# Altium PCB cat.PcbDoc (part 3 of 3)
Units mm, origin at the board's own origin, x right, y up, seen from the top; angles counter-clockwise.
Board outline 65 x 116 mm, 4 copper layers (Top Layer, Layer 2, Layer 3, Bottom Layer), stack 1.518 mm thick; 267 components, 134 nets, 808 pads, 579 vias.
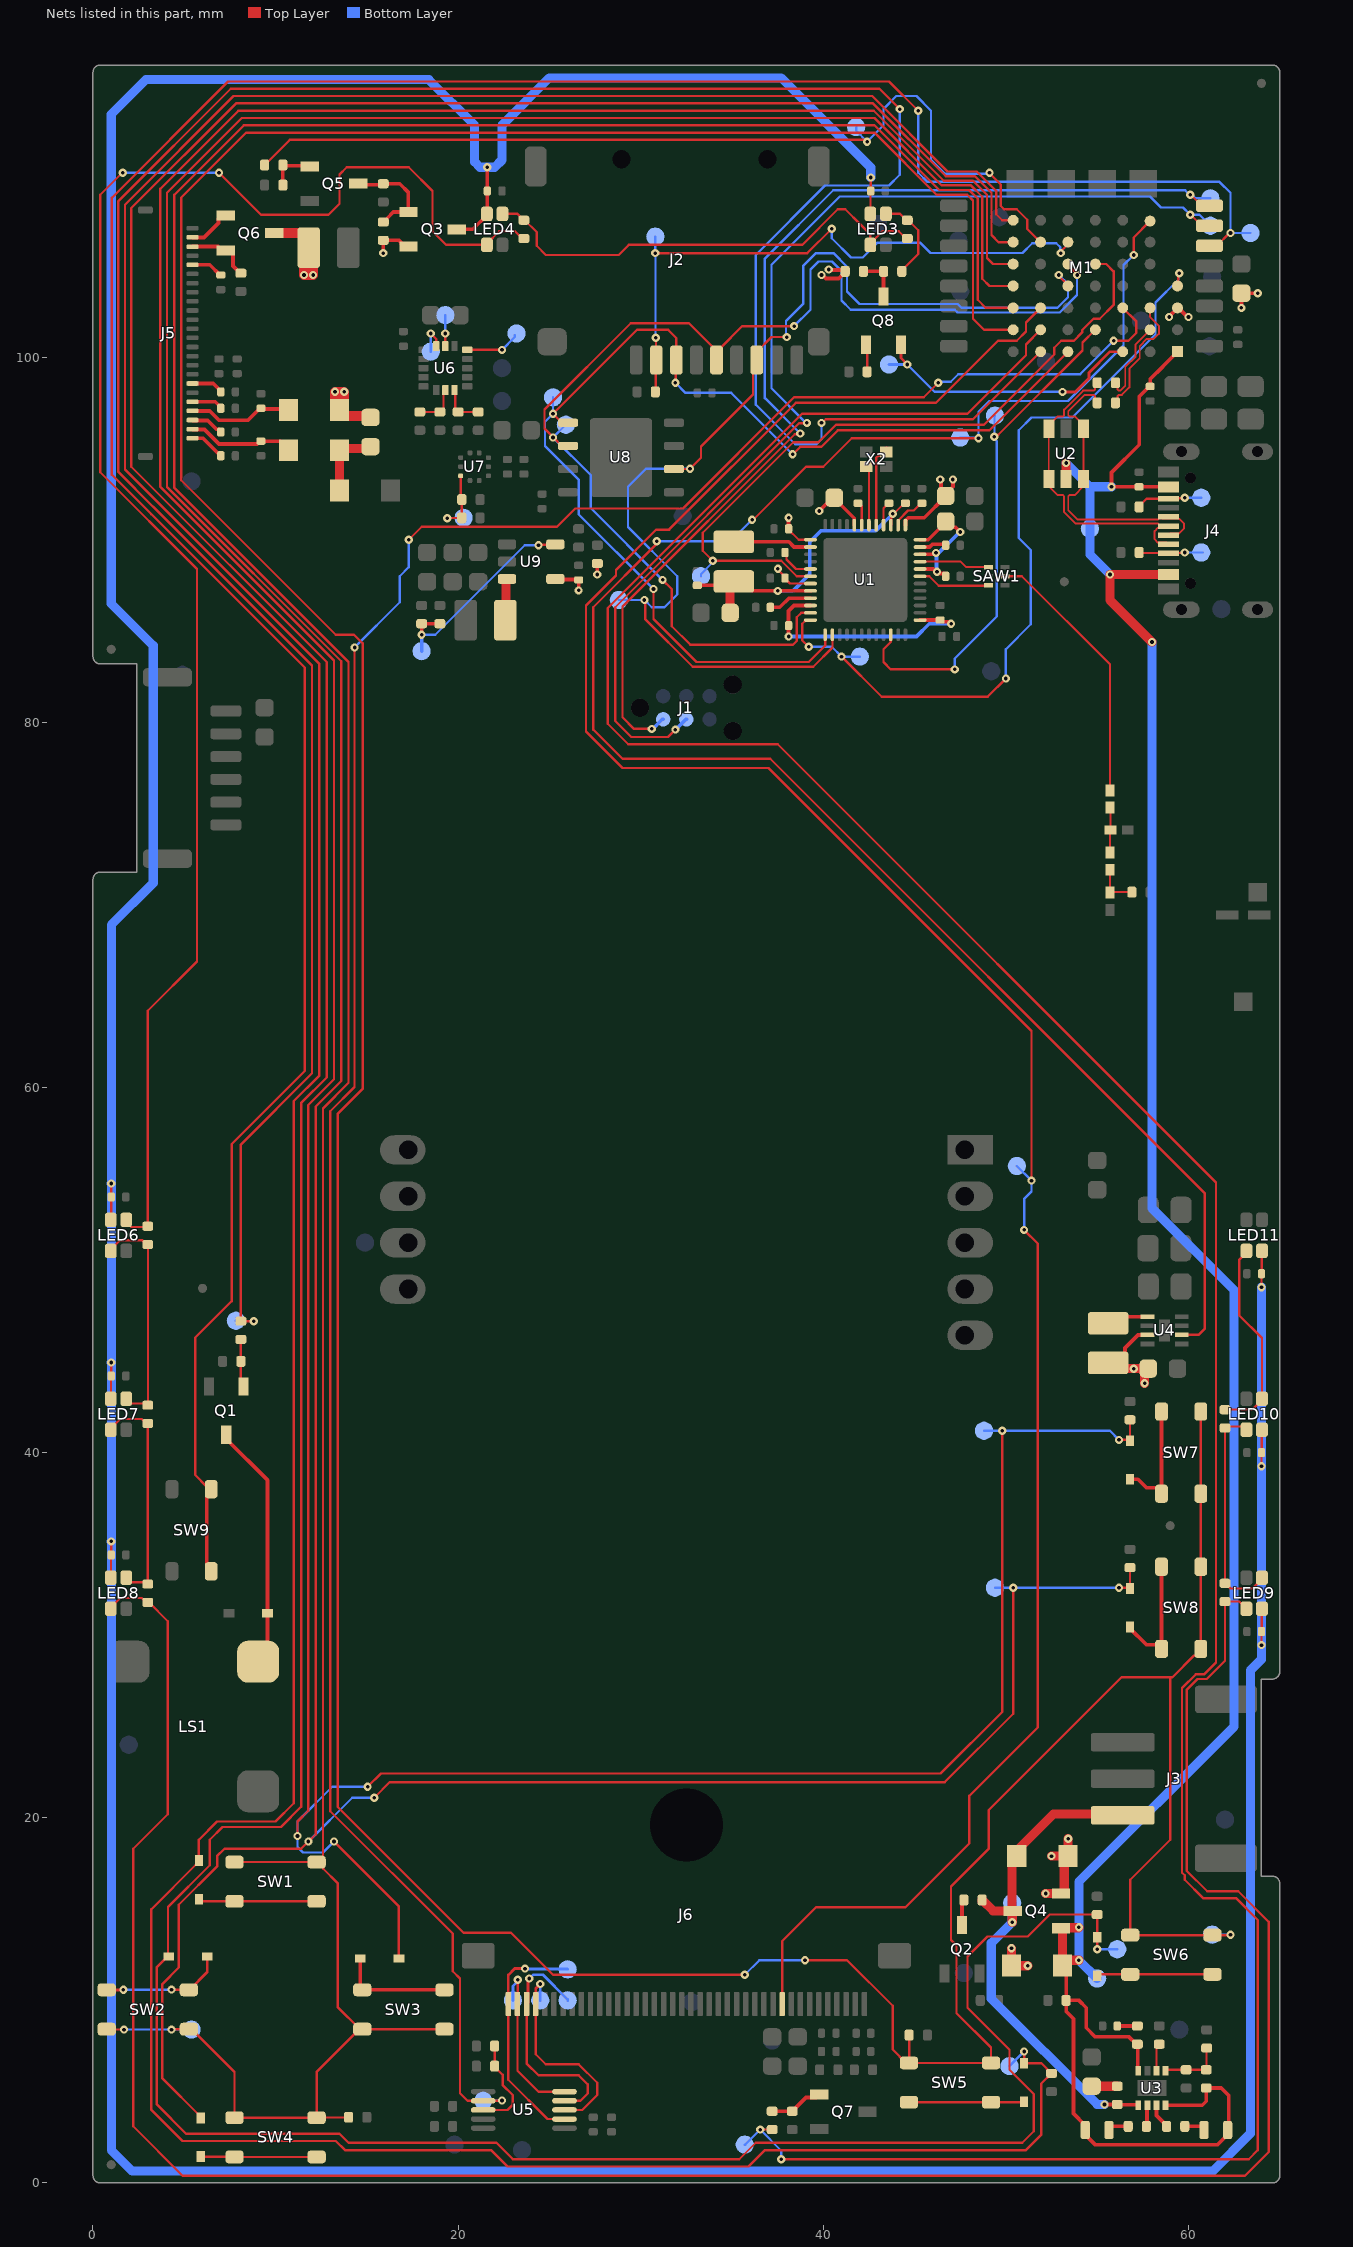
[diagram p5: the nets of this part, all layers, seen from the top]

## Via types
v1: diameter 0.45, hole 0.2, Top Layer to Bottom Layer, tented both sides, 556 vias
v2: diameter 0.66, hole 0.33, Top Layer to Bottom Layer, 16 vias
v3: diameter 0.45, hole 0.2, Top Layer to Bottom Layer, 7 vias

## Nets (pads, with @x,y where several pads share a name; then routed paths per layer and width w, separated by ;. In a path a pad name is that pad's centre, name@x,y a point inside that pad or via, vN(x,y) a via of type N, cw(c..) or ccw(c..) an arc to the next point about the centre after c; other vN are vias at no path point) (continued)
LCD_BL: M1.A5 R31.1 TP51.1 | length 169.1
  Top Layer w0.127: v1(36.544,2.923) v1(36.544,2.923) 37.199,2.924 R31.1@37.2,2.925 ; v1(37.7,1.3) 63.3,1.3 63.8,1.8 63.8,14.4 62.6,15.6 60.8,15.6 59.792,16.608 59.792,16.849 59.646,16.995 59.646,27.105 60.395,27.854 60.854,27.854 61.509,28.509 61.509,54.791 37.5,78.8 29.317,78.8 28.2,79.917 28.2,86.263 38.837,96.9 47.9,96.9 51.1,100.1 51.1,100.7 M1.A5@51.9,101.5
  Bottom Layer w0.127: TP51.1@35.7,2.1 35.721,2.1 v1(36.544,2.923) ; v1(37.7,1.3) 37.7,1.768 v1(36.544,2.923) ; 37.7,1.767 v1(36.544,2.923)
LCD_C\S\: J6.31 M1.A4 TP60.1 | length 133.8
  Top Layer w0.127: J6.31@37.75,9.8 37.75,13.25 39.6,15.1 44.5,15.1 48,18.6 48,21.2 51.746,24.946 51.746,51.454 v1(51,52.2) ; v1(51.4,54.9) 51.4,63.1 37,77.5 29,77.5 27,79.5 27,86.4 28.643,88.043 28.643,88.343 30.856,90.556 31.556,90.556 38.5,97.5 46.176,97.5 49.576,100.9 50.6,100.9 51.1,101.4 51.1,101.9 M1.A4@51.9,102.7
  Bottom Layer w0.127: TP60.1@50.6,55.7 v1(51.4,54.9) 51.4,54.3 51,53.9 v1(51,52.2)
LED_CONTROL: M1.A1 R28.1 TP36.1 | length 51.7
  Top Layer w0.127: R28.1@9.4,110.525 9.4,110.542 9.582,110.724 9.599,110.724 10.775,111.9 42.213,111.9 42.313,111.8 v1(42.4,111.8) ; v1(49.1,110.1) 49.1,110.076 49.724,109.452 49.724,108.276 49.9,108.1 50.6,108.1 51.174,107.526 51.174,107.026 M1.A1@51.9,106.3
  Bottom Layer w0.127: TP36.1@41.8,112.6 41.8,112.4 v1(42.4,111.8) 43.3,112.7 43.3,113.6 44,114.3 45.1,114.3 45.9,113.5 45.9,110.8 46.659,110.041 49.041,110.041 v1(49.1,110.1)
NetC9_1: C9.1 C49.2 C51.2 L2.1 U1.15 U1.32 | length 18.7
  Top Layer w0.127: U1.15@43.7,90.8 43.714,90.814 43.714,91.247 43.806,91.338 v1(43.806,91.426) 43.856,91.426 44.43,92 C9.1@44.5,92
  Top Layer w0.203: C51.2@33.1,87.501 34.886,87.501 L2.1@35.1,87.715 35.623,87.715 36.138,87.2 v1(37.5,87.2) U1.32@39.3,87.2
  Top Layer w0.5: L2.1@34.886,87.501 34.9,87.487 C49.2@34.9,86
  Bottom Layer w0.203: v1(37.5,87.2) 38.335,87.2 39.265,88.13 39.265,89.879 39.886,90.5 42.88,90.5 v1(43.806,91.426)
NetC11_2: C11.2 R12.1 | length 1.4
  Top Layer w0.5: C11.2@54.7,5.3 R12.1@56.1,5.3
NetC12_2: C12.2 R13.1 | length 1.1
  Top Layer w0.203: C12.2@56.1,8.6 R13.1@57.2,8.6
NetC14_2: C14.2 D12.K J5.21 | length 5.8
  Top Layer w0.203: J5.21@5.45,97.057 6.393,97.057 6.904,96.546 8.496,96.546 9.107,97.157 C14.2@9.243,97.157 ; C14.2@9.2,97.2 C14.2@9.243,97.157 ; D12.K@10.7,97.1 10.643,97.157 C14.2@9.243,97.157
NetC15_1: C15.1 D12.A L4.2 Q6.3 | length 10.5
  Top Layer w0.55: Q6.3@9.925,106.8 L4.2@11.815,106.8 ; D12.A@13.258,96.842 v1(13.258,98.103) v1(13.758,98.103) D12.A@13.758,96.858 ; D12.A@13.5,97.1 13.5,97.035 13.75,96.785 15.115,96.785 C15.1@15.2,96.7 ; v1(11.557,104.497) 11.557,105.742 L4.2@11.815,106 12.057,105.758 v1(12.057,104.497) v1(11.557,104.497)
NetC15_2: C15.2 D13.K D14.A | length 4.3
  Top Layer w0.5: D14.A@13.5,92.7 D13.K@13.5,94.838 ; D13.K@13.5,94.9 13.6,95 15.1,95 C15.2@15.2,95.1
  Top Layer w0.55: D13.K@13.5,94.838 D13.K@13.75,94.588
NetC17_2: C17.2 D13.A J5.23 | length 5.9
  Top Layer w0.203: J5.23@5.45,96.057 5.473,96.034 6.11,96.034 6.905,95.239 8.989,95.239 9.15,95.4 C17.2@9.2,95.4 10.275,95.4 10.7,94.975 D13.A@10.7,94.9
NetC18_2: C18.2 J5.5 | length 1.8
  Top Layer w0.203: J5.5@5.45,105.057 6.393,105.057 6.95,104.5 C18.2@7,104.5
NetC19_2: C19.2 J5.18 | length 1.8
  Top Layer w0.203: J5.18@5.45,98.557 6.593,98.557 7,98.15 C19.2@7,98.1
NetC20_2: C20.2 J5.20 | length 1.7
  Top Layer w0.203: J5.20@5.45,97.557 6.693,97.557 7,97.25 C20.2@7,97.2
NetC21_2: C21.2 J5.22 | length 1.9
  Top Layer w0.203: J5.22@5.45,96.557 5.473,96.534 6.285,96.534 6.77,96.048 6.902,96.048 7,95.95 C21.2@7,95.9
NetC22_2: C22.2 J5.24 | length 2
  Top Layer w0.203: J5.24@5.45,95.557 6.026,95.557 6.835,94.748 6.902,94.748 7,94.65 C22.2@7,94.6
NetC54_2: C54.2 U1.11 | length 1.5
  Top Layer w0.203: U1.11@45.3,89.6 45.817,89.6 45.975,89.758 46.602,89.758 46.7,89.66 C54.2@46.7,89.65
NetC55_2: C55.2 U1.16 | length 1.3
  Top Layer w0.127: U1.16@43.3,90.8 43.3,91.73 43.57,92 C55.2@43.6,92
NetC56_2: C56.2 U1.19 | length 1.3
  Top Layer w0.127: C56.2@41.9,92 41.93,92 42.1,91.83 U1.19@42.1,90.8
NetC57_1: C57.1 U1.14 | length 1.9
  Top Layer w0.127: U1.14@44.1,90.8 44.1,91.061 44.639,91.6 44.95,91.6 45.35,92 C57.1@45.4,92
NetC58_2: C58.2 U1.33 | length 2.4
  Top Layer w0.203: C58.2@37.1,86.3 37.621,86.3 38.121,86.8 U1.33@39.3,86.8
NetC59_2: C59.2 U1.29 | length 1.9
  Top Layer w0.127: C59.2@37.9,89.3 37.983,89.217 37.983,88.925 38.508,88.4 U1.29@39.3,88.4
NetC60_2: C60.2 C61.1 U1.1 U1.34 | length 13.7
  Top Layer w0.203: v1(38.1,84.7) C61.1@38.1,85.3 38.1,86.1 38.4,86.4 U1.34@39.3,86.4 ; U1.1@45.3,85.6 C60.2@46.4,85.6 46.498,85.502 46.832,85.502 46.933,85.4 v1(47,85.4)
  Bottom Layer w0.203: v1(38.1,84.7) 45.1,84.7 45.8,85.4 v1(47,85.4)
NetC62_1: C62.1 C63.2 U1.8 U1.10 U1.12 | length 7.8
  Top Layer w0.203: U1.8@45.3,88.4 46.011,88.4 46.15,88.261 46.15,88.174 v1@46.179,88.204 ; U1.10@45.3,89.2 46.028,89.2 46.107,89.279 v1(46.173,89.279) ; U1.12@45.3,90 45.75,90 C63.2@46.32,90.57 ; v1(46.227,88.251) v1@46.179,88.204 ; C62.1@46.65,88 46.65,88.1 46.602,88.148 46.396,88.148 46.341,88.204 v1@46.179,88.204 ; C63.2@46.7,91 47.015,90.686 47.242,90.686 v1(47.5,90.427)
  Bottom Layer w0.203: v1(46.227,88.251) 46.2,88.277 46.2,89.252 v1(46.173,89.279) 46.221,89.326 46.369,89.326 47.47,90.427 v1(47.5,90.427)
NetD1_K: D1.K SW1.1 SW1.2 | length 6.4
  Top Layer w0.152: D1.K@5.9,15.545 6.02,15.425 SW1.2@7.75,15.425 SW1.1@12.25,15.425
NetD2_K: D2.K SW2.1 SW2.2 | length 6.8
  Top Layer w0.152: SW2.1@0.75,10.575 1.658,10.575 v1(1.664,10.582) ; v1(4.304,10.592) 4.313,10.583 5.242,10.583 SW2.2@5.25,10.575 5.289,10.575 6.255,11.541 D2.K@6.255,12.4
  Bottom Layer w0.152: v1(1.664,10.582) 1.669,10.587 4.3,10.587 v1(4.304,10.592)
NetD3_K: D3.K SW3.1 SW3.2 | length 6.3
  Top Layer w0.203: D3.K@14.645,12.3 14.645,10.683 SW3.1@14.753,10.575 SW3.2@19.253,10.575
NetD4_K: D4.K SW4.1 SW4.2 | length 6.4
  Top Layer w0.127: D4.K@5.9,1.445 5.91,1.435 7.74,1.435 SW4.2@7.75,1.425 SW4.1@12.25,1.425
NetD5_K: D5.K SW5.1 SW5.2 | length 6.3
  Top Layer w0.127: SW5.2@44.688,4.425 SW5.1@49.188,4.425 50.98,4.425 D5.K@51,4.445 D5.K@51.005,4.45
NetD6_K: D6.K SW6.1 SW6.2 | length 6.3
  Top Layer w0.127: D6.K@55,11.345 55.08,11.425 SW6.2@56.812,11.425 SW6.1@61.312,11.425
NetD7_K: D7.K SW7.1 SW7.2 | length 6.5
  Top Layer w0.203: D7.K@56.8,38.545 57.23,38.545 57.702,38.073 58.302,38.073 58.525,37.85 SW7.2@58.525,42.35
NetD8_K: D8.K SW8.1 SW8.2 | length 6.8
  Top Layer w0.203: D8.K@56.8,30.445 56.8,30.375 57.702,29.473 58.302,29.473 SW8.1@58.525,29.25 SW8.2@58.525,33.75
NetD9_A: D9.A LS1.- Q1.3 | length 13.4
  Top Layer w0.203: Q1.3@7.3,40.975 7.3,40.75 9.555,38.495 D9.A@9.555,31.2 9.555,28.645 LS1.-@9.65,28.55
NetJ4_A5: J4.A5 R14.2 TP6.1 | length 3.5
  Top Layer w0.127: R14.2@57.3,89.3 57.325,89.275 58.875,89.275 J4.A5@58.9,89.25 58.925,89.275 59.775,89.275 v1(59.8,89.3)
  Bottom Layer w0.127: v1(59.8,89.3) TP6.1@60.8,89.3
NetJ4_B5: J4.B5 R16.2 TP7.1 | length 3.6
  Top Layer w0.127: R16.2@57.3,91.8 57.3,91.85 57.7,92.25 J4.B5@58.9,92.25 58.925,92.275 59.775,92.275 v1(59.8,92.3)
  Bottom Layer w0.127: v1(59.8,92.3) TP7.1@60.7,92.3
NetJ5_2: J5.2 Q6.1 | length 2.4
  Top Layer w0.203: J5.2@5.45,106.557 6.08,106.557 6.877,107.354 6.877,107.577 7.05,107.75 Q6.1@7.275,107.75
NetJ5_3: J5.3 Q6.2 R30.2 | length 3.7
  Top Layer w0.203: J5.3@5.45,106.057 6.843,106.057 7.05,105.85 Q6.2@7.275,105.85 7.5,105.85 7.673,105.677 7.673,104.989 8.063,104.6 R30.2@8.1,104.6
NetJP1_2: JP1.2 JP2.1 U5.8 | length 5.3
  Top Layer w0.127: U5.8@21.375,4 22.7,4 23,4.3 23,4.8 22.435,5.365 22.435,5.926 JP2.1@22,6.361 ; JP2.1@22,6.4 JP1.2@22,7.5
NetJP3_1: JP3.1 LED3.4 R35.2 | length 4.8
  Top Layer w0.127: LED3.4@43.425,107.85 44.2,107.85 44.55,107.5 JP3.1@44.6,107.5 44.65,107.5 45.2,106.95 45.2,105.65 44.3,104.75 R35.2@44.3,104.7
NetJP3_2: JP3.2 JP4.1 LED3.1 LED4.4 | length 26.2
  Top Layer w0.127: LED4.4@22.425,107.85 23.25,107.85 23.364,107.737 23.364,107.72 23.583,107.5 JP4.1@23.6,107.5 23.65,107.5 24.3,106.85 24.3,106.1 24.8,105.6 28.8,105.6 29.35,106.15 38.85,106.15 40.797,108.097 41.203,108.097 42.041,107.259 42.575,106.725 LED3.1@42.575,106.225 ; LED3.1@42.575,106.15 LED3.1@42.575,106.225 ; JP3.2@44.6,106.5 44.53,106.5 44.13,106.9 43.25,106.9 LED3.1@42.575,106.225
NetJP4_2: JP4.2 JP6.1 LED4.1 LED6.4 | length 91.6
  Top Layer w0.127: v1(1.627,110.1) 1.6,110.1 0.4,108.9 0.4,93.7 5.7,88.4 5.7,66.9 3,64.2 JP6.1@3,52.259 ; LED6.4@1.825,52.75 1.825,52.621 2.078,52.369 2.078,52.357 2.886,52.357 2.929,52.4 JP6.1@3,52.4 ; v1(6.9,110.1) 9.2,107.8 12.9,107.8 13.5,108.4 13.5,110 13.9,110.4 17.3,110.4 18.6,109.1 18.6,106.9 19.35,106.15 LED4.1@21.575,106.15 21.575,106.225 22.25,106.9 23.117,106.9 23.517,106.5 JP4.2@23.6,106.5
  Bottom Layer w0.127: v1(1.627,110.1) v1(6.9,110.1)
NetJP6_2: JP6.2 JP7.1 LED6.1 LED7.4 | length 13.4
  Top Layer w0.127: LED6.1@0.975,51.05 0.975,51.125 1.49,51.641 2.689,51.641 2.93,51.4 JP6.2@3,51.4 ; JP6.2@2.95,51.4 3.01,51.34 3.01,42.782 JP7.1@3,42.782 ; LED7.4@1.825,42.947 LED7.4@1.825,42.95 ; LED7.4@1.825,42.947 LED7.4@2.079,42.693 ; LED7.4@1.825,42.947 LED7.4@1.825,42.95 ; LED7.4@1.825,42.947 LED7.4@2.079,42.693 ; LED7.4@1.825,42.947 LED7.4@2.079,42.693 ; LED7.4@1.825,42.947 LED7.4@1.825,42.95 ; LED7.4@2.079,42.693 JP7.1@2.907,42.693 ; JP7.1@2.907,42.693 2.912,42.693 JP7.1@3,42.782 ; JP7.1@2.907,42.693 JP7.1@3,42.6 JP7.1@3,42.782
NetJP7_2: JP7.2 JP8.1 LED7.1 LED8.4 | length 13.3
  Top Layer w0.127: LED7.1@0.975,41.25 0.975,41.325 1.49,41.841 2.676,41.841 2.917,41.6 JP7.2@3,41.6 ; JP8.1@3,32.8 2.907,32.893 LED8.4@2.079,32.893 ; JP8.1@3.01,32.8 3,32.81 3,41.59 JP7.2@3.01,41.6 ; LED8.4@1.825,33.147 LED8.4@1.825,33.15 ; LED8.4@1.825,33.147 LED8.4@2.079,32.893 ; LED8.4@1.825,33.147 LED8.4@1.825,33.15 ; LED8.4@1.825,33.147 LED8.4@2.079,32.893 ; LED8.4@1.825,33.147 LED8.4@1.825,33.15 ; LED8.4@1.825,33.147 LED8.4@2.079,32.893
NetJP8_2: JP8.2 JP9.1 LED8.1 LED9.4 | length 131.8
  Top Layer w0.127: LED8.1@0.975,31.45 0.975,31.525 1.49,32.04 2.676,32.04 2.917,31.8 JP8.2@3.017,31.8 ; JP8.2@3,31.8 3.061,31.8 4.1,30.761 4.1,20.2 2.2,18.3 2.2,3.1 4.9,0.4 63.1,0.4 64.4,1.7 64.4,14.3 62.725,15.975 61.025,15.975 59.9,17.1 59.9,27 60.5,27.6 61,27.6 62,28.6 JP9.1@62,31.845 62.783,31.845 62.902,31.725 62.921,31.725 63.175,31.471 LED9.4@63.175,31.45
NetJP9_2: JP9.2 JP10.1 LED9.1 LED10.4 | length 12.1
  Top Layer w0.127: JP9.2@62,32.845 62,40.753 JP10.1@62,41.35 62.086,41.436 62.989,41.436 LED10.4@63.175,41.25 ; JP9.2@62.026,32.845 62.311,32.56 63.509,32.56 LED9.1@64.025,33.075
NetJP10_2: JP10.2 LED10.1 LED11.4 | length 11
  Top Layer w0.127: JP10.2@62.192,42.492 62.324,42.359 63.509,42.359 LED10.1@63.987,42.838 ; LED11.4@63.175,51.05 63.175,50.952 62.774,50.552 62.774,47.525 64.025,46.274 64.025,42.875 LED10.1@64.025,42.8
NetJP12_2: JP12.2 JP13.1 U6.7 | length 2.5
  Top Layer w0.127: JP13.1@17.85,97 JP13.1@17.9,97 JP12.2@19,97 19.015,97 19.197,97.182 19.197,98.097 U6.7@19.3,98.2
NetJP14_2: JP14.2 JP15.1 U6.8 | length 2.4
  Top Layer w0.127: U6.8@19.8,98.2 19.842,98.158 19.842,97.158 JP14.2@20,97 JP15.1@21.1,97
NetL1_2: L1.2 L5.1 R22.1 | length 2.5
  Top Layer w0.119: L5.1@55.7,71.925 L1.2@55.7,70.675 55.725,70.7 R22.1@56.9,70.7
NetL2_2: L2.2 U1.26 | length 4.3
  Top Layer w0.203: L2.2@35.1,89.885 38.115,89.885 38.4,89.6 U1.26@39.3,89.6
NetL3_2: L3.2 U4.1 | length 1.8
  Top Layer w0.203: L3.2@55.962,47.447 U4.1@57.757,47.447
NetL5_2: L5.2 L6.2 L7.1 | length 2.5
  Top Layer w0.119: L5.2@55.7,72.875 55.7,74.075 L6.2@55.725,74.1 55.725,75.3 L7.1@55.7,75.325
NetL7_2: L7.2 SAW1.6 | length 14.6
  Top Layer w0.119: SAW1.6@49.95,88 50.875,88 55.7,83.175 L7.2@55.7,76.275
NetL8_1: L8.1 U9.3 | length 2.3
  Top Layer w0.5: L8.1@22.585,85.6 22.63,85.645 22.63,87.825 22.655,87.85 U9.3@22.675,87.85
NetLED1_1: LED1.1 R17.1 | length 1.2
  Top Layer w0.203: R17.1@59.8,3.1 60.703,3.1 60.85,2.953 LED1.1@60.85,2.9
NetLED2_1: LED2.1 R18.1 | length 1.2
  Top Layer w0.203: LED2.1@55.65,2.9 55.65,2.953 55.797,3.1 R18.1@56.7,3.1
NetQ1_1: Q1.1 R5.2 R6.1 | length 2.6
  Top Layer w0.127: R5.2@8.1,46.2 R6.1@8.1,45 8.1,43.775 Q1.1@8.25,43.625
NetQ2_3: Q2.3 R23.1 | length 1.4
  Top Layer w0.203: Q2.3@47.6,14.125 R23.1@47.6,15.5
NetQ3_1: Q3.1 Q5.3 R26.1 R27.1 | length 5.8
  Top Layer w0.203: Q5.3@14.525,109.5 14.575,109.45 16.008,109.45 R27.1@16.058,109.4 ; R26.1@15.9,107.4 15.937,107.4 16.084,107.547 16.084,107.584 16.45,107.95 Q3.1@17.275,107.95 17.275,109.025 16.8,109.5 R27.1@15.9,109.5
NetQ5_1: Q5.1 R28.2 R29.1 | length 2.6
  Top Layer w0.203: R29.1@10.4,109.425 R28.2@10.4,110.525 10.438,110.487 11.838,110.487 Q5.1@11.875,110.45
NetQ7_1: Q7.1 R31.2 R32.1 | length 3
  Top Layer w0.203: R31.2@37.2,3.925 38.337,3.925 38.484,4.072 38.484,4.109 39.053,4.678 39.603,4.678 Q7.1@39.775,4.85
NetQ8_1: Q8.1 R37.1 | length 1.5
  Top Layer w0.127: Q8.1@42.35,100.675 42.4,100.625 R37.1@42.4,99.2
NetQ8_3: Q8.3 R35.1 R36.1 | length 2.8
  Top Layer w0.203: R36.1@42.2,104.7 R35.1@43.3,104.7 ; Q8.3@43.3,103.05 R35.1@43.3,104.7 ; R35.1@43.3,104.725 R35.1@43.3,104.7
NetR15_2: R15.2 U3.2 | length 1.6
  Top Layer w0.127: U3.2@58.275,6.17 U3.2@58.25,6.145 58.25,7.453 58.397,7.6 R15.2@58.4,7.6
NetR17_2: R17.2 U3.7 | length 1.4
  Top Layer w0.127: R17.2@58.8,3.1 58.8,3.15 R17.2@58.8,3.157
  Top Layer w0.203: U3.7@58.25,4.255 58.25,3.7 R17.2@58.8,3.15
NetR18_2: R18.2 U3.6 | length 1.2
  Top Layer w0.203: R18.2@57.7,3.1 57.725,3.125 57.725,4.23 U3.6@57.75,4.255
NetR19_2: R19.2 R20.2 R21.2 U3.1 | length 3.4
  Top Layer w0.127: U3.1@58.75,6.145 58.805,6.2 R21.2@59.875,6.2 R19.2@60.975,6.2 60.988,6.213 60.988,7.373 R20.2@61,7.386
NetR38_2: R38.2 R39.1 TP28.1 U7.5 | length 4
  Top Layer w0.127: v1(19.4,91.175) 19.412,91.188 20.188,91.188 R39.1@20.2,91.2 R38.2@20.2,92.2 20.14,92.26 U7.5@20.14,93.5
  Bottom Layer w0.127: v1(19.4,91.175) 19.412,91.188 20.288,91.188 TP28.1@20.3,91.2
NetR42_2: R42.2 R43.1 TP2.1 U9.5 | length 11.9
  Top Layer w0.127: v1(24.4,89.7) 24.425,89.725 25.3,89.725 U9.5@25.325,89.75
  Top Layer w0.203: v1(18,84.8) R42.2@18,85.4 R43.1@19,85.4
  Bottom Layer w0.127: v1(18,84.8) 18.75,84.8 23.65,89.7 v1(24.4,89.7)
  Bottom Layer w0.203: TP2.1@18,83.9 v1(18,84.8)
NetSAW1_1: SAW1.1 U1.9 | length 3.9
  Top Layer w0.119: U1.9@45.3,88.8 47.522,88.8 47.822,88.5 SAW1.1@49.05,88.5
NetSAW1_3: SAW1.3 U1.7 | length 4
  Top Layer w0.119: U1.7@45.3,88 45.8,88 46.316,87.484 49.034,87.484 SAW1.3@49.05,87.5
NetTP22_1: TP22.1 U6.16 | length 1.8
  Top Layer w0.127: v1(18.5,101.3) 18.8,101 U6.16@18.8,100.6
  Bottom Layer w0.127: TP22.1@18.5,100.3 v1(18.5,101.3)
NetTP23_1: TP23.1 U6.15 | length 1.7
  Top Layer w0.127: U6.15@19.3,100.6 v1(19.3,101.3)
  Bottom Layer w0.127: v1(19.3,101.3) TP23.1@19.3,102.3
NetTP24_1: TP24.1 U6.13 | length 3
  Top Layer w0.127: U6.13@20.5,100.4 v1(22.4,100.4)
  Bottom Layer w0.127: v1(22.4,100.4) 23.1,101.1 TP24.1@23.1,101.2
NetU1_17: U1.17 X2.1 | length 4.5
  Top Layer w0.127: U1.17@42.9,90.8 42.9,94.5 42.992,94.592 43.242,94.592 X2.1@43.487,94.837 ; X2.1@43.437,95.037 X2.1@43.487,95.037
NetU1_18: U1.18 X2.3 | length 3.5
  Top Layer w0.127: X2.3@42.325,93.975 42.5,93.8 U1.18@42.5,90.8 ; X2.3@42.325,94.175 X2.3@42.5,94
RGB_DATA: M1.D6 Q8.2 TP41.1 | length 15.7
  Top Layer w0.152: Q8.2@44.25,100.675 44.25,99.95 v1(44.6,99.6) ; v1(53.1,98.1) 53.8,98.1 54.547,98.847 54.547,99.147 55.7,100.3 M1.D6@56.4,100.3
  Bottom Layer w0.127: v1(44.6,99.6) 46.1,98.1 v1(53.1,98.1)
  Bottom Layer w0.152: TP41.1@43.6,99.6 v1(44.6,99.6)
SD_C\S\: J2.2 M1.B1 R7.2 TP3.1 | length 34.2
  Top Layer w0.127: R7.2@30.8,98.1 30.825,98.125 30.825,99.818 J2.2@30.85,99.843 30.837,99.855 30.837,101.047 v1(30.825,101.059) ; v1(30.8,105.7) 39.124,105.7 v1(40.463,107.039) ; v1(53,105.7) 53,105.787 53.4,106.187 M1.B1@53.4,106.3
  Bottom Layer w0.127: TP3.1@30.8,106.6 v1(30.8,105.7) 30.813,105.688 30.813,101.072 v1(30.825,101.059) ; v1(40.463,107.039) 40.463,106.514 41.517,105.459 42.159,105.459 42.959,106.259 45.317,106.259 45.867,105.709 50.909,105.709 51.441,106.241 52.765,106.241 52.986,106.02 52.986,105.714 v1(53,105.7)
SEN55_BOOST: M1.E0 TP42.1 U4.6 | length 103.9
  Top Layer w0.127: v1(30.877,89.923) 30.815,89.861 30.815,89.715 27.4,86.3 27.4,79.6 29,78 37.1,78 60.9,54.2 60.9,46.8 60.55,46.45 U4.6@59.64,46.45 ; v1(36.1,91.1) 36.159,91.1 39.059,94 40,94 41.559,95.559 v1(48.5,95.559) ; v1(57,105.6) 57,106.552 M1.E0@57.9,107.452
  Bottom Layer w0.127: v1(30.877,89.923) 34.923,89.923 v1(36.1,91.1) ; TP42.1@47.5,95.6 47.52,95.58 48.48,95.58 v1(48.5,95.559) 48.5,97 49.1,97.6 53.4,97.6 56.446,100.646 56.446,105.046 v1(57,105.6)
SPEAKER_OUT: M1.A6 R5.1 TP52.1 | length 155.5
  Top Layer w0.127: v1(8.8,47.2) R5.1@8.1,47.2 8.1,56.875 12,60.775 12,83.113 3.313,91.8 3.3,91.8 1.392,93.708 1.392,108.548 7.544,114.7 43.077,114.7 v1(44.188,113.588) ; v1(39.9,96.4) 39.936,96.4 40.136,96.6 48.2,96.6 M1.A6@51.9,100.3
  Bottom Layer w0.127: TP52.1@7.825,47.225 7.838,47.213 8.787,47.213 v1(8.8,47.2) ; v1(39.9,96.4) 39.9,95.5 39.632,95.232 38.468,95.232 36.3,97.4 36.3,105.6 40.1,109.4 43.6,109.4 44.188,109.988 v1(44.188,113.588)
SPI_CK: J2.5 M1.B2 TP61.1 U1.35 U8.6 | length 66.7
  Top Layer w0.127: v1(25.2,95.6) v1@25.218,95.6 ; U8.6@26.02,95.14 25.677,95.14 v1@25.218,95.6 ; v1(31.2,87.8) 31.7,87.3 31.7,85.267 32.721,84.247 38.346,84.247 38.552,84.453 38.552,85.752 38.8,86 U1.35@39.3,86 ; v1(38.4,101.7) 35.563,101.7 34.373,100.51 34.373,100.066 J2.5@34.15,99.843 34.15,100.35 32.648,101.852 29.452,101.852 24.732,97.132 24.732,96.086 v1@25.218,95.6 ; M1.B2@53.4,105.1 53.4,105.05 53.9,104.55 v1(53.9,104.5)
  Bottom Layer w0.127: TP61.1@25.9,96.3 v1(25.2,95.6) 27.259,93.541 27.259,91.741 v1(31.2,87.8) ; v1(38.4,101.7) 39.3,102.6 39.3,104.8 39.741,105.241 40.483,105.241 41,104.724 41,103.1 41.5,102.6 47.205,102.6 47.354,102.451 52.951,102.451 53.9,103.4 v1(53.9,104.5)
SPI_MISO: J2.7 M1.B3 TP58.1 U1.38 U8.2 | length 62.4
  Top Layer w0.127: v1(30.2,86.7) 30.241,86.659 30.241,85.659 32.854,83.046 39.446,83.046 40.5,84.1 U1.38@40.5,84.8 ; U8.2@31.829,93.879 v1@32.692,93.879 ; v1(32.7,93.887) 33.3,94.487 33.3,95.1 36.152,97.952 36.152,99.645 J2.7@36.35,99.843 36.35,100.293 37.157,101.1 v1(38,101.1) ; v1(52.9,104.5) 52.9,104.45 53.4,103.95 M1.B3@53.4,103.9
  Bottom Layer w0.127: TP58.1@28.8,86.7 v1(30.2,86.7) 30.6,86.3 31.3,86.3 32,87 32,88 29.3,90.7 29.3,92.9 30.287,93.887 v1(32.7,93.887) ; v1(38,101.1) 37.959,101.141 37.959,101.976 38.895,102.912 38.895,104.988 39.607,105.7 40.558,105.7 41.3,104.958 41.3,103.6 41.991,102.909 47.361,102.909 47.566,102.705 52.829,102.705 53.4,103.276 53.4,104 v1(52.9,104.5)
SPI_MOSI: J2.3 M1.B6 TP57.1 U1.37 U8.5 | length 63.9
  Top Layer w0.127: U8.5@25.69,96.41 U8.5@25.692,96.41 ; U8.5@26.02,96.41 U8.5@25.692,96.41 ; v1(30.7,87.3) 30.7,85.656 33.056,83.3 39.2,83.3 40.1,84.2 U1.37@40.1,84.8 ; v1(31.9,98.6) 31.925,98.625 31.925,99.818 J2.3@31.95,99.843 31.95,101.05 31.5,101.5 29.8,101.5 v1(25.2,96.9) 25.203,96.9 U8.5@25.692,96.41 ; v1(38.319,94.681) 38.336,94.681 38.741,95.086 39.886,95.086 40.8,96 49.1,96 M1.B6@53.4,100.3
  Bottom Layer w0.127: TP57.1@25.2,97.8 v1(25.2,96.9) 24.759,96.459 24.759,95.141 26.6,93.3 26.6,91.4 v1(30.7,87.3) ; v1(31.9,98.6) 32.457,98.043 34.957,98.043 v1(38.319,94.681)
SW_COL0: M1.Z4 R44.2 SW1.3 SW1.4 SW2.3 SW2.4 SW3.3 SW3.4 SW4.3 SW4.4 TP49.1 | length 193.9
  Top Layer w0.127: SW2.3@0.75,8.425 0.775,8.4 v1(1.7,8.4) ; v1(4.3,8.4) 4.313,8.413 5.238,8.413 SW2.4@5.25,8.425 5.4,8.425 7.75,6.075 SW4.4@7.75,3.575 SW4.3@12.25,3.575 ; SW1.4@7.75,17.575 SW1.3@12.25,17.575 SW1.3@12.34,17.575 ; R44.2@14,3.6 13.987,3.588 12.263,3.588 SW4.3@12.25,3.575 ; SW3.3@14.664,8.425 SW3.3@14.753,8.425 SW3.4@19.253,8.425 ; M1.Z4@50.4,102.7 48.9,102.7 48.454,103.146 48.454,108.686 47.986,109.154 46.346,109.154 42.8,112.7 8.266,112.7 4.459,108.893 4.459,92.841 14,83.3 14,60.254 12.6,58.854 12.6,17.815 12.36,17.575 SW1.3@12.34,17.575 ; SW4.3@12.25,3.575 12.25,6.072 14.603,8.425 14.575,8.425 14.594,8.444 13.4,9.639 13.4,16.425 12.618,17.207 12.618,17.297 SW1.3@12.34,17.575
  Bottom Layer w0.127: v1(1.7,8.4) v1(4.3,8.4) TP49.1@5.4,8.4
SW_COL1: M1.Z5 R45.2 SW5.3 SW5.4 SW6.3 SW6.4 SW7.3 SW7.4 SW8.3 SW8.4 TP50.1 | length 259.4
  Top Layer w0.127: v1(35.7,11.4) 25.2,11.4 22.9,13.7 20.3,13.7 13.4,20.6 13.4,58.554 14.769,59.923 14.769,84.331 14.3,84.8 13.3,84.8 4.84,93.26 4.84,108.746 8.394,112.3 42.8,112.3 46.2,108.9 47.88,108.9 48.2,108.58 48.2,102.1 48.8,101.5 M1.Z5@50.4,101.5 ; v1(39,12.2) 41.3,12.2 43.8,9.7 43.8,7.313 44.538,6.575 SW5.4@44.613,6.575 ; R45.2@44.7,8.1 44.7,6.662 SW5.4@44.613,6.575 ; SW7.4@60.675,42.25 SW7.3@60.675,37.75 SW8.4@60.675,33.75 SW8.3@60.675,29.25 60.675,29.16 60.397,28.882 60.307,28.882 59.125,27.7 59,27.7 ; v1(62.3,13.6) 62.275,13.575 SW6.3@61.312,13.575 SW6.4@56.812,13.575 56.812,16.612 59,18.8 59,27.7 ; SW5.4@44.613,6.575 SW5.4@44.688,6.575 SW5.3@49.188,6.575 49.188,7.412 47.3,9.3 47.3,13 46.99,13.31 46.99,16.231 49.054,18.295 49.054,20.418 56.336,27.7 59,27.7
  Bottom Layer w0.127: v1(35.7,11.4) 36.5,12.2 v1(39,12.2) ; TP50.1@61.3,13.6 v1(62.3,13.6)
SW_RESET: M1.14 SW9.3 SW9.4 TP40.1 | length 155.5
  Top Layer w0.127: SW9.4@6.225,38 6.225,38.15 5.6,38.775 5.6,46.3 7.6,48.3 7.6,56.9 11.6,60.9 11.6,83 3.2,91.4 1.035,93.565 1.035,108.735 7.4,115.1 43.6,115.1 v1(45.2,113.5) ; M1.14@61.15,106.099 61.55,106.099 62.251,106.8 v1(62.3,106.8)
  Top Layer w0.203: SW9.3@6.225,33.5 SW9.4@6.225,38
  Bottom Layer w0.127: v1(45.2,113.5) 45.2,110.1 45.7,109.6 61.7,109.6 62.3,109 v1(62.3,106.8) TP40.1@63.4,106.8
SW_ROW0: D1.A D5.A M1.Z0 R1.2 TP45.1 | length 227
  Top Layer w0.127: M1.Z0@50.4,107.5 49.8,107.5 49.47,107.83 49.47,109.106 48.406,110.17 46.808,110.17 42.678,114.3 7.7,114.3 1.75,108.35 1.75,93.85 3.4,92.2 12.4,83.2 12.4,60.654 11,59.254 11,20.8 10,19.8 6.8,19.8 5.8,18.8 D1.A@5.8,17.655 5.8,17.585 5.639,17.424 5.628,17.424 3.2,14.995 3.2,4 4.9,2.3 13.3,2.3 13.8,1.8 21.8,1.8 22.7,0.9 35.9,0.9 36.8,1.8 51.1,1.8 51.929,2.629 51.929,5.434 52.263,5.768 52.263,5.78 52.483,6 R1.2@52.495,6 ; v1(51,7.2) D5.A@51,6.555 51.945,6.555 R1.2@52.5,6
  Bottom Layer w0.127: TP45.1@50.2,6.4 v1(51,7.2)
SW_ROW1: D2.A D6.A M1.Z1 R2.2 TP46.1 | length 241.3
  Top Layer w0.127: D2.A@4.145,12.4 D2.A@4.11,12.4 ; M1.Z1@50.4,106.3 49.6,106.3 49.216,106.684 49.216,109.001 48.301,109.916 46.702,109.916 42.718,113.9 7.835,113.9 2.1,108.165 2.1,94 12.8,83.3 12.8,60.554 11.4,59.154 11.4,20.6 10.3,19.5 7.1,19.5 6.4,18.8 6.4,17.4 4.11,15.11 D2.A@4.11,12.4 ; v1(55,12.8) D6.A@55,13.455 R2.2@55,14.7 52.4,14.7 51.2,13.5 49,13.5 47.9,12.4 47.9,9.6 50.2,7.3 50.2,6.2 51.529,4.871 51.529,2.829 50.9,2.2 36.3,2.2 35.4,1.3 23,1.3 22.1,2.2 14,2.2 13.5,2.7 5.1,2.7 3.5,4.3 3.5,11.825 3.913,12.238 4.075,12.4 D2.A@4.11,12.4
  Bottom Layer w0.127: v1(55,12.8) TP46.1@56.1,12.8
SW_ROW2: D3.A D7.A M1.Z2 R3.2 TP47.1 | length 226.5
  Top Layer w0.127: v1(11.2,19) 11.2,19.8 11.79,20.39 11.79,59.044 13.2,60.454 13.2,83.382 3.693,92.889 3.693,109.23 7.963,113.5 42.759,113.5 46.597,109.662 48.196,109.662 48.962,108.896 48.962,105.438 49.3,105.1 M1.Z2@50.4,105.1 ; v1(13.2,18.7) 16.755,15.145 D3.A@16.755,12.3 ; v1(15.041,21.7) 15.768,22.427 46.427,22.427 49.8,25.8 v1(49.8,41.2) ; v1(56.2,40.7) D7.A@56.755,40.7 ; D7.A@56.8,40.7 D7.A@56.8,40.655 R3.2@56.8,41.8
  Bottom Layer w0.127: v1(13.2,18.7) 12.6,18.1 11.5,18.1 11.2,18.4 v1(11.2,19) 11.2,19.8 13.1,21.7 v1(15.041,21.7) ; TP47.1@48.8,41.2 v1(49.8,41.2) 55.7,41.2 v1(56.2,40.7)
SW_ROW3: D4.A D8.A M1.Z3 R4.2 TP48.1 | length 228.2
  Top Layer w0.127: D4.A@5.9,3.555 5.9,3.625 3.8,5.725 3.8,10.9 4.7,11.8 4.7,15.234 6.8,17.334 6.8,17.9 7.2,18.3 11.4,18.3 v1(11.8,18.7) 12.2,19.1 12.2,58.954 13.6,60.354 13.6,83.341 4.055,92.886 4.055,109.005 8.15,113.1 42.8,113.1 46.492,109.408 48.091,109.408 48.708,108.791 48.708,104.292 49.1,103.9 M1.Z3@50.4,103.9 ; v1(15.4,21.1) 16.254,21.954 46.654,21.954 50.4,25.7 v1(50.4,32.6) ; v1(56.2,32.6) D8.A@56.755,32.6 ; D8.A@56.8,32.6 D8.A@56.8,32.555 R4.2@56.8,33.7
  Bottom Layer w0.127: v1(11.8,18.7) 14.2,21.1 v1(15.4,21.1) ; TP48.1@49.4,32.6 v1(50.4,32.6) v1(56.2,32.6)
SWCLK: J1.4 M1.15 TP38.1 | length 62.6
  Top Layer w0.127: v1(31.9,79.6) 31.5,79.2 29.477,79.2 28.6,80.077 28.6,86.304 38.684,96.388 39.088,96.388 v1(39.1,96.4) ; v1(60.1,107.8) 60.125,107.8 60.725,107.199 M1.15@61.15,107.199
  Bottom Layer w0.127: v1(39.1,96.4) 39.059,96.4 37.159,98.3 37.159,105.059 40.9,108.8 57.9,108.8 58.5,108.2 59.7,108.2 v1(60.1,107.8) 60.162,107.8 60.6,107.8 TP38.1@61.2,107.2
  Bottom Layer w0.203: v1(31.9,79.6) 31.918,79.6 32.483,80.165 J1.4@32.5,80.165 J1.4@32.515,80.165
SWDIO: J1.2 M1.16 TP39.1 | length 60.3
  Top Layer w0.127: v1(30.6,79.641) 29.636,79.641 29,80.277 29,86.345 38.439,95.784 38.703,95.784 v1(38.738,95.818) ; v1(60.1,108.9) 60.125,108.9 60.725,108.299 M1.16@61.15,108.299
  Bottom Layer w0.127: v1(38.738,95.818) 36.8,97.756 36.8,105.4 40.546,109.146 59.818,109.146 60.064,108.9 v1(60.1,108.9) 60.187,108.9 60.387,108.7 TP39.1@61.2,108.7
  Bottom Layer w0.203: v1(30.6,79.641) 30.653,79.641 31.177,80.165 J1.2@31.23,80.165
TOUCH_INT: M1.D4 TP30.1 U5.7 | length 139.5
  Top Layer w0.127: v1(14.328,84.1) 14.328,60.027 13,58.699 13,20.358 19.7,13.658 19.7,11.6 20.1,11.2 20.1,4.912 20.512,4.5 U5.7@21.375,4.5 ; v1(17.3,90) 18.01,90.71 25.409,90.71 26.409,91.709 32.309,91.709 38.4,97.8 45.5,97.8 v1(46.3,98.6) ; U5.7@21.375,4.5 21.381,4.506 22.399,4.506 v1(22.405,4.512) ; v1(55.9,100.9) 56.71,100.9 57.149,101.339 57.149,101.951 M1.D4@56.4,102.7
  Bottom Layer w0.127: v1(14.328,84.1) 16.8,86.572 16.8,88 17.3,88.5 v1(17.3,90) ; TP30.1@21.375,4.5 21.381,4.506 22.399,4.506 v1(22.405,4.512) ; v1(46.3,98.6) 46.359,98.659 46.983,98.659 47.39,99.066 54.066,99.066 v1(55.9,100.9)
TOUCH_X+: J6.1 TP12.1 U5.2 | length 13.1
  Top Layer w0.127: J6.1@22.75,9.3 22.75,5.65 24.9,3.5 U5.2@25.825,3.5
  Top Layer w0.152: J6.1@22.75,9.3 J6.1@22.75,9.8 22.75,11.385 23.103,11.738 v1(23.662,11.738)
  Bottom Layer w0.152: v1(23.662,11.738) 23.681,11.719 25.981,11.719 TP12.1@26,11.7
TOUCH_X-: J6.3 TP14.1 U5.4 | length 13.4
  Top Layer w0.127: J6.3@23.75,9.8 23.75,6.55 24.4,5.9 26.6,5.9 27.1,5.4 27.1,4.9 26.7,4.5 U5.4@25.825,4.5
  Top Layer w0.152: J6.3@23.693,9.743 J6.3@23.75,9.8 23.824,9.874 23.824,11.043 23.9,11.119 v1(23.9,11.2)
  Bottom Layer w0.152: v1(23.9,11.2) 23.929,11.2 24.138,11.409 24.632,11.409 26,10.041 TP14.1@26,10
TOUCH_Y+: J6.4 TP13.1 U5.3 | length 11.8
  Top Layer w0.127: J6.4@24.25,9.8 24.25,7.05 24.8,6.5 26.6,6.5 27.616,5.484 27.616,4.816 26.8,4 U5.3@25.825,4
  Top Layer w0.152: J6.4@24.188,9.738 J6.4@24.25,9.8 24.25,10.65 v1(24.5,10.9)
  Bottom Layer w0.152: TP13.1@24.5,10 v1(24.5,10.9)
TOUCH_Y-: J6.2 TP15.1 U5.5 | length 9.3
  Top Layer w0.127: J6.2@23.25,9.8 23.25,9.737 23.25,6.15 24.4,5 U5.5@25.825,5
  Top Layer w0.152: J6.2@23.25,9.8 23.26,9.81 23.26,11.119 v1(23.271,11.129)
  Bottom Layer w0.152: TP15.1@23,10 23,10.778 23.271,11.049 v1(23.271,11.129)
USB0_D+: J4.A6 J4.B6 R10.1 U2.1 U2.6 | length 16.8
  Top Layer w0.105: R10.1@55,97.5 54.883,97.617 54.883,97.873 54.822,97.934 54.323,97.934 53.416,97.027 53.416,96.816 53.477,96.754 53.771,96.754 54.25,96.275 U2.6@54.25,93.325 54.25,92.925 53.771,92.446 53.477,92.446 53.416,92.384 53.416,91.612 53.912,91.116 58.346,91.116 58.48,91.25 58.578,91.152 59.492,91.152 59.766,90.878 59.766,90.621 59.493,90.348 58.998,90.348 J4.A6@58.9,90.25
USB0_D-: J4.A7 J4.B7 R11.1 U2.3 U2.4 | length 17.4
  Top Layer w0.105: R11.1@55,98.6 54.883,98.483 54.883,98.227 54.822,98.166 54.227,98.166 53.184,97.123 53.184,96.816 53.123,96.754 52.829,96.754 52.35,96.275 U2.4@52.35,93.325 52.35,92.925 52.829,92.446 53.123,92.446 53.184,92.384 53.184,91.516 53.816,90.884 58.346,90.884 58.48,90.75 J4.A7@58.9,90.75 58.802,90.652 58.329,90.652 58.151,90.474 58.151,90.026 58.329,89.848 58.802,89.848 J4.B7@58.9,89.75
USB1_D+: M1.E4 R10.2 | length 6.7
  Top Layer w0.105: R10.2@56,97.5 56.117,97.617 56.117,97.873 56.178,97.934 56.36,97.934 56.77,98.344 56.77,99.37 57.332,99.932 57.332,100.604 57.728,101 58.1,101 58.379,101.279 58.379,101.721 57.9,102.2 M1.E4@57.9,102.7
USB1_D-: M1.E5 R11.2 | length 4.6
  Top Layer w0.105: R11.2@56,98.6 56.117,98.483 56.117,98.227 56.178,98.166 56.264,98.166 56.539,98.44 56.539,99.466 57.1,100.028 57.1,100.7 M1.E5@57.9,101.5
VBAT: D11.A J3.1 Q4.3 R12.2 R23.2 TP5.1 U3.5 | length 28.7
  Top Layer w0.203: v1(55.4,4.3) R12.2@56.1,4.3 56.123,4.277 57.228,4.277 U3.5@57.25,4.255
  Top Layer w0.5: R23.2@48.7,15.5 48.7,15.45 48.75,15.45 49.3,14.9 50.33,14.9 50.346,14.916 v1(50.346,14.279) ; Q4.3@50.338,14.925 50.338,17.863 50.3,17.9 50.3,17.975 50.575,18.25 50.65,18.25 52.6,20.2 J3.1@56.3,20.2
  Bottom Layer w0.5: TP5.1@50.346,15.339 v1(50.346,14.279) 49.2,13.133 49.2,10.1 55,4.3 v1(55.4,4.3)
VBUS: C4.1 C10.2 D10.A J4.A4/B9 J4.A9/B4 LED1.2 LED2.2 M1.F6 Q4.1 R13.2 R19.1 R25.2 TP8.1 TP10.1 U2.5 U3.4 U3.8 | length 143.7
  Top Layer w0.203: R25.2@53.325,10 54,10 54.4,9.6 54.4,8.5 54.9,8 56.75,8 57.15,7.6 R13.2@57.2,7.6 57.225,7.575 57.225,6.17 U3.4@57.25,6.145 ; D10.A@53.5,12.3 D10.A@53.1,11.9 53.3,11.7 R25.2@53.3,10 53.3,9.4 53.7,9 53.7,3.8 54.35,3.15 LED2.2@54.35,2.9 54.35,2.637 54.498,2.489 54.887,2.1 61.6,2.1 62.15,2.65 LED1.2@62.15,2.9 62.2,2.95 62.2,4.8 61.8,5.2 R19.1@60.975,5.2 60.975,4.475 60.755,4.255 U3.8@58.75,4.255 ; J4.A9/B4@58.9,92.9 C4.1@57.3,92.9 v1(55.787,92.9) 55.787,93.687 57.3,95.2 57.3,97.85 57.85,98.4 C10.2@57.9,98.4 57.9,98.795 58.6,99.495 58.6,99.5 M1.F6@59.4,100.3
  Top Layer w0.5: Q4.1@53.025,13.95 Q4.1@53.075,13.95 ; D10.A@53.1,11.9 53.1,13.925 Q4.1@53.075,13.95 ; U2.5@53.3,93.325 v1(53.3,94.2) ; D10.A@53.6,12.2 v1(54,12.2) ; v1(54,14) 53.975,13.975 53.275,13.975 53.25,13.95 Q4.1@53.075,13.95 ; v1(58,84.4) 55.7,86.7 v1(55.7,88.1) J4.A4/B9@58.9,88.1
  Bottom Layer w0.5: v1(53.3,94.2) 54.6,92.9 ; TP8.1@55,11.2 v1(54,12.2) 54,16.5 62.5,25 62.5,48.9 58,53.4 v1(58,84.4) ; v1(55.7,88.1) 54.6,89.2 54.6,92.9 ; v1(55.787,92.9) 54.6,92.9
VLED: C31.2 C32.2 C34.2 C35.2 C36.2 C37.2 C38.2 C39.2 LED3.2 LED4.2 LED6.2 LED7.2 LED8.2 LED9.2 LED10.2 LED11.2 Q3.3 | length 293.6
  Top Layer w0.127: LED8.2@0.975,33.15 0.987,33.163 0.987,34.388 C36.2@1,34.4 v1(1,35.141) ; LED7.2@0.975,42.95 0.987,42.963 0.987,44.188 C35.2@1,44.2 v1(1,44.941) ; LED6.2@0.975,52.75 0.997,52.772 C34.2@0.997,53.994 ; C34.2@1,54 v1(1,54.741) ; LED4.2@21.575,107.85 LED4.2@21.588,107.863 ; C32.2@21.588,109.088 C32.2@21.6,109.1 ; LED3.2@42.575,107.85 42.588,107.863 42.588,109.088 C31.2@42.6,109.1 v1(42.6,109.841) ; v1(64,29.459) C37.2@64,30.2 64.013,30.212 64.013,31.437 LED9.2@64.025,31.45 ; v1(64,39.259) C38.2@64,40 64.013,40.012 64.013,41.237 LED10.2@64.025,41.25 ; v1(64,49.059) C39.2@64,49.8 64.013,49.812 64.013,51.037 LED11.2@64.025,51.05
  Top Layer w0.203: Q3.3@19.925,107 20.8,107 21.575,107.775 LED4.2@21.575,107.85 ; LED4.2@21.588,107.863 C32.2@21.588,109.088 ; C32.2@21.6,109.1 v1(21.6,110.4)
  Bottom Layer w0.5: v1(42.6,109.841) 42.6,110.387 37.687,115.3 25,115.3 22.4,112.7 22.4,110.8 22,110.4 v1(21.6,110.4) 21.193,110.4 20.9,110.693 20.9,112.7 18.4,115.2 2.9,115.2 1,113.3 1,104.8 1,89 1,86.5 3.3,84.2 3.3,71.2 1.01,68.91 1.01,54.755 1,54.746 v1(1,54.741) 1.01,54.731 1.01,44.95 v1(1,44.941) 1.01,44.931 1.01,41.671 1.01,35.15 v1(1,35.141) 1.01,35.131 1.01,1.79 2.151,0.649 61.334,0.649 63.4,2.715 63.4,28.08 64,28.68 v1(64,29.459) ; v1(64,39.259) 64,47.634 ; v1(64,29.459) v1(64,39.259) ; 64,47.634 v1(64,49.059)
VSYS: C5.2 C8.2 C33.2 C48.2 C50.2 C52.2 C64.2 D10.K D11.K L3.1 M1.F4 Q3.2 Q4.2 R26.2 R36.2 R40.2 TP11.1 U1.13 U1.20 U1.25 U1.31 U4.3 U9.4 | length 35.1
  Top Layer w0.127: v1(37.515,88.409) 37.515,88.355 37.9,87.97 C48.2@37.9,87.9 37.9,87.87 38.17,87.6 U1.31@39.3,87.6 ; C52.2@38.1,90.6 38.1,90.55 38.65,90 U1.25@39.3,90
  Top Layer w0.203: v1(15.9,105.7) R26.2@15.9,106.4 16.758,106.4 16.877,106.281 16.877,106.223 17.05,106.05 Q3.2@17.275,106.05 ; U9.4@25.325,87.85 25.35,87.825 26.575,87.825 C33.2@26.6,87.8 ; v1(26.6,87.225) C33.2@26.6,87.775 ; v1(27.625,88.1) R40.2@27.625,88.65 ; C52.2@38.1,90.6 v1(38.1,91.2) ; v1(39.775,91.57) 40.504,92.3 C50.2@40.6,92.3 40.6,92.275 41.7,91.175 U1.20@41.7,90.8 ; v1(39.9,104.5) 39.946,104.5 40.142,104.303 40.841,104.303 41.2,104.663 R36.2@41.2,104.7 ; v1(40.3,104.8) 40.322,104.778 41.16,104.778 R36.2@41.2,104.737 ; U1.13@44.5,90.8 44.5,91.048 44.652,91.2 45.525,91.2 46.7,92.375 C8.2@46.7,92.4 ; v1(46.4,93.3) 46.447,93.253 46.447,92.653 C8.2@46.7,92.4 ; v1(47.1,93.3) 47.1,92.899 46.7,92.499 C8.2@46.7,92.4 ; D10.K@50.3,11.9 D10.K@50.311,11.911 ; D11.K@53.4,17.9 D11.K@53.411,17.911 ; L3.1@55.6,45.315 L3.1@56.01,45.315 ; L3.1@56.01,44.915 56.52,45.424 56.52,45.729 57.238,46.447 57.757,46.447 U4.3@57.76,46.45 ; v1(58.941,102.2) 58.941,102.22 59.4,102.68 M1.F4@59.4,102.7 59.45,102.7 59.95,102.2 v1(60,102.2) ; v1(62.9,102.7) 62.9,103.137 C5.2@62.989,103.226 ; C5.2@62.9,103.5 v1(63.8,103.5)
  Top Layer w0.5: D10.K@50.3,11.9 v1(51.2,11.9) ; D10.K@50.311,11.911 v1(50.311,12.849) ; v1(52.177,15.85) Q4.2@53.025,15.85 ; v1(52.5,17.9) D11.K@53.4,17.9 53.2,17.7 53.2,15.875 Q4.2@53.175,15.85 ; D11.K@53.411,17.911 v1(53.411,18.849) ; L3.1@55.6,44.915 L3.1@56.01,44.915 ; L3.1@56.335,44.675 56.41,44.6 v1(57,44.6) 57.38,44.6 57.575,44.405 57.605,44.405 C64.2@57.8,44.6 ; v1(57.6,43.8) C64.2@57.6,44.6
WIFI_BUCK: M1.C2 TP26.1 U1.30 | length 39.5
  Top Layer w0.127: U1.30@39.3,88 38.549,88 37.699,88.85 v1(33.95,88.85) 33.4,89.4 33.4,90.386 38.355,95.34 39.74,95.34 40.7,96.3 48.798,96.3 52.644,100.146 52.644,100.51 53.034,100.9 53.728,100.9 54.176,101.348 54.176,101.47 54.806,102.1 55.139,102.1 55.9,102.861 55.9,104.7 55.5,105.1 M1.C2@54.9,105.1
  Bottom Layer w0.127: TP26.1@33.3,88 33.3,88.113 33.95,88.763 v1(33.95,88.85)
WIFI_C\S\: M1.F3 TP62.1 U1.36 | length 44
  Top Layer w0.127: v1(39.2,84.141) 38.852,84.489 38.852,85.402 39.05,85.6 U1.36@39.3,85.6 ; v1(41,83.6) 43.2,81.4 49,81.4 v1(50,82.4) ; M1.F3@59.4,103.9 59.45,103.95 59.45,104.55 v1(59.5,104.6)
  Bottom Layer w0.127: v1(39.2,84.141) 40.459,84.141 v1(41,83.6) TP62.1@42,83.6 ; v1(50,82.4) 50,84 51.366,85.366 51.366,89.434 50.7,90.1 50.7,96 51.4,96.7 53.641,96.7 58.2,101.259 58.2,103 59.438,104.238 59.438,104.538 v1(59.5,104.6)
WIFI_IRQ: M1.C5 TP25.1 U1.46 | length 28.9
  Top Layer w0.127: U1.46@43.7,84.8 43.697,84.797 43.697,84.397 43.3,84 43.3,83.3 43.7,82.9 v1(47.2,82.9) ; v1(49.362,95.638) 49.449,95.638 49.558,95.747 49.587,95.747 54.2,100.36 54.2,100.8 M1.C5@54.9,101.5
  Bottom Layer w0.127: v1(47.2,82.9) 47.2,83.5 49.5,85.8 49.5,95.413 49.362,95.551 v1(49.362,95.638) 49.381,95.657 49.381,96.781 TP25.1@49.4,96.8
pads on no net: A1.1 A1.2 A1.3 FID1.F FID2.F FID3.F FID4.F FID5.F FID6.F J1. J1.1 J1.3 J1.6 J2. J2.1 J2.8 J2.CD J4.A8 J4.B8 J4.MH J4.MP@59.61,86.175 J4.MP@59.61,94.825 J4.MP@63.79,86.175 J4.MP@63.79,94.825 J5.1 J5.4 J5.6 J5.7 J5.19 J6. J7.6 LED11.1 M1.3 M1.4 M1.7 M1.8 M1.12 M1.D1 M1.D2 M1.E3 M1.F5 M1.Z6 M2.8 U1.2 U1.3 U1.4 U1.5 U1.6 U1.21 U1.22 U1.23 U1.24 U1.39 U1.40 U1.44 U1.45 U6.2 U6.3

## Polygon pours and split planes (outlines as drawn)
3.3V on Bottom Layer "3V3_L04_P-001" (solid, remove dead copper, pour order 8): 0,116 65,116 65,0 0,0
VSYS on Bottom Layer "VSYS_L04_P-001" (solid, remove dead copper, pour order 5): 55,11.2 54.983,11.217 49.2,11.217 49.2,13.133 50.4,14.333 50.4,26.7 54.8,31.1 54.8,77.1 21.2,77.1 21.2,80.7 10.1,80.7 10.1,106.3 11,106.3 16.7,106.3 16.7,105.1 11,105.1 11,82.7 21.2,82.7 30.671,92.171 41.5,92.1 41.5,98.6 38.4,101.7 38.4,105.4 65,105.4 65,11.2
3.3V_nRF on Bottom Layer "3.3V_nRF_L04_P-001" (solid, remove dead copper, pour order 3): 61.9,100.9 61.9,99 58.1,99 54.6,95.5 54.6,83.1 52.6,81.1 47.063,81.1 44.1,84.063 44.1,85.1 51.1,85.1 51.1,100.9
NetC15_1 on Bottom Layer "NETC15_1_L04_P007" (solid, pour order 7): 11,105.127 11,97.473 14.3,97.473 14.3,98.7 12.642,98.7 12.592,105.127
GND on Top Layer "GND_L01_P009" (solid, pour order 9): 50.7,20.6 50.7,22.064 56.336,27.7 59.063,27.7 59.063,20.663 59,20.6
3.3V_nRF on Top Layer "3.3V_nRF_L01_P-001" (solid, pour order 6): 65,100.999 64.999,101 60.104,100.999 58.6,99.495 58.6,97.7 65,97.7
GND on Layer 2 "GND_L02_P-001" (solid, pour order 1): 0,116 65,116 65,0 0,0
GND on Layer 3 "GND_L03_P-001" (solid, pour order 2): 0,116 65,116 65,0 0,0

## Other copper
Multi-Layer:
  pour cut-out: 65,80.977 58.5,80.977 58.5,53.466 65,53.466
  pour cut-out: 47.15,115.629 47.15,110.467 61.147,110.467 61.147,115.629

## Silkscreen, mask and mechanical layers (free items; w line width, h text height)
Top Overlay:
  region: 8.045,9.515 ccw(c10.045,9.515) 10.045,7.515 ccw(c10.045,9.515) 12.045,9.515 ccw(c10.045,9.515) 10.045,11.515 ccw(c10.045,9.515)
Bottom Overlay:
  drawing of 245 lines, arcs and shapes, not listed
  text "'.Project' V'.Revision'" at 36.237,6.246 h2
  text ".Print_Date" at 37.063,4.512 h2
Mechanical 1:
  circle w0.006: c46.938,5.5 r0.003
  circle w0.006: c10,9.5 r0.003
  circle w0.006: c10,2.5 r0.003
  circle w0.006: c17,9.5 r0.003
  circle w0.006: c10,16.5 r0.003
  circle w0.006: c3,9.5 r0.003
  circle w0.013: c10,9.5 r3
  lines w0.013: 3,9.5 17,9.5 ; 10,2.5 10,16.5 ; 46.938,5.5 59.062,12.5 ; 0.91,11.1 5.09,7.9 ; 0.91,11.1 0.91,7.9 5.09,7.9 ; 0.91,11.1 5.09,11.1 5.09,7.9 ; 7.91,0.9 12.09,4.1 ; 7.91,0.9 7.91,4.1 ; 7.91,0.9 12.09,0.9 ; 7.91,4.1 12.09,4.1 ; 7.91,4.1 12.09,0.9 ; 7.91,14.9 12.09,18.1 ; 7.91,14.9 12.09,14.9 ; 7.91,14.9 7.91,18.1 ; 7.91,18.1 12.09,14.9 ; 7.91,18.1 12.09,18.1 ; 12.09,0.9 12.09,4.1 ; 12.09,14.9 12.09,18.1 ; 14.91,7.9 19.09,11.1 ; 14.91,7.9 19.09,7.9 ; 14.91,7.9 14.91,11.1 ; 14.91,11.1 19.09,7.9 ; 14.91,11.1 19.09,11.1 ; 19.09,7.9 19.09,11.1 ; 44.848,3.9 44.848,7.1 ; 44.848,3.9 49.028,7.1 ; 44.848,3.9 49.028,3.9 ; 44.848,7.1 49.028,3.9 ; 44.848,7.1 49.028,7.1 ; 49.028,3.9 49.028,7.1 ; 56.972,10.9 56.972,14.1 ; 56.972,10.9 61.152,14.1 ; 56.972,10.9 61.152,10.9 ; 56.972,14.1 61.152,10.9 ; 56.972,14.1 61.152,14.1 ; 61.152,10.9 61.152,14.1 ; 0,0 65,0 65,5 65,116 0,116 0,5 0,0

## Text inside footprints (layer, text, board x,y; h text height)
J3: Top Overlay "3" at 54.469,25.956 h2 r270; Top Overlay "1" at 54.458,19.073 h2 r270
J5: Top Overlay "24" at 6.121,93.437 h1 r90; Top Overlay "1" at 6.221,108.382 h1 r90
J6: Top Overlay "40" at 45.039,10.431 h2 r180; Top Overlay "1" at 21.536,10.442 h2 r180
LS1: Top Overlay "+" at 10.766,20.506 h3; Top Overlay "-" at 12.094,28.187 h3 r90
U6: Top Overlay "Z" at 16.421,98.92 h1.5; Top Overlay "X" at 14.56,99.02 h1.5; Top Overlay "Y" at 16.361,95.02 h1.5